# Altium PCB PCB1.PcbDoc
Units mil, origin at the board's own origin, x right, y up, seen from the top; angles counter-clockwise.
Board outline 5374.73 x 4031.41 mil, 2 copper layers (Top Layer, Bottom Layer); 98 components, 67 nets, 328 pads, 77 vias.
Unrouted connection lines stored in the file: 3.
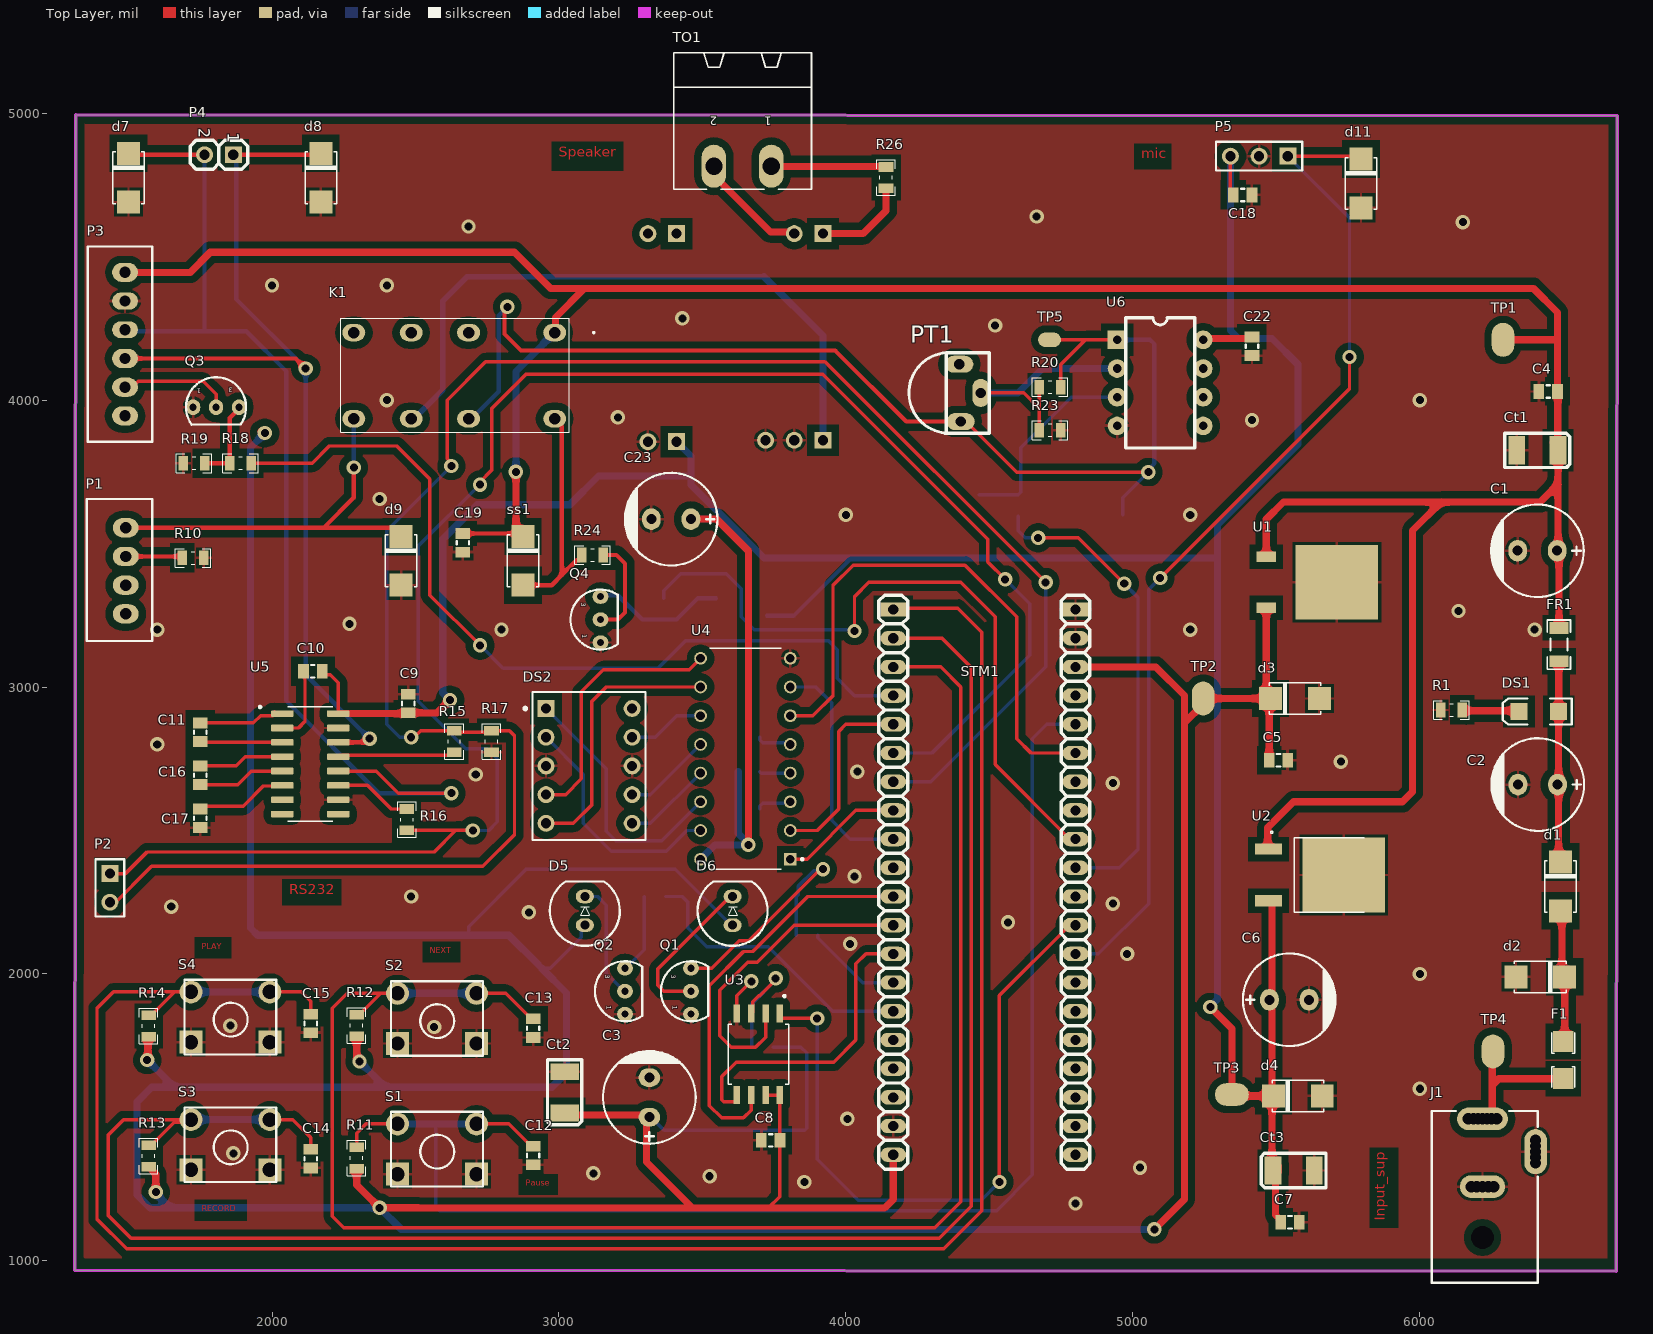
[diagram p0: Top Layer view]
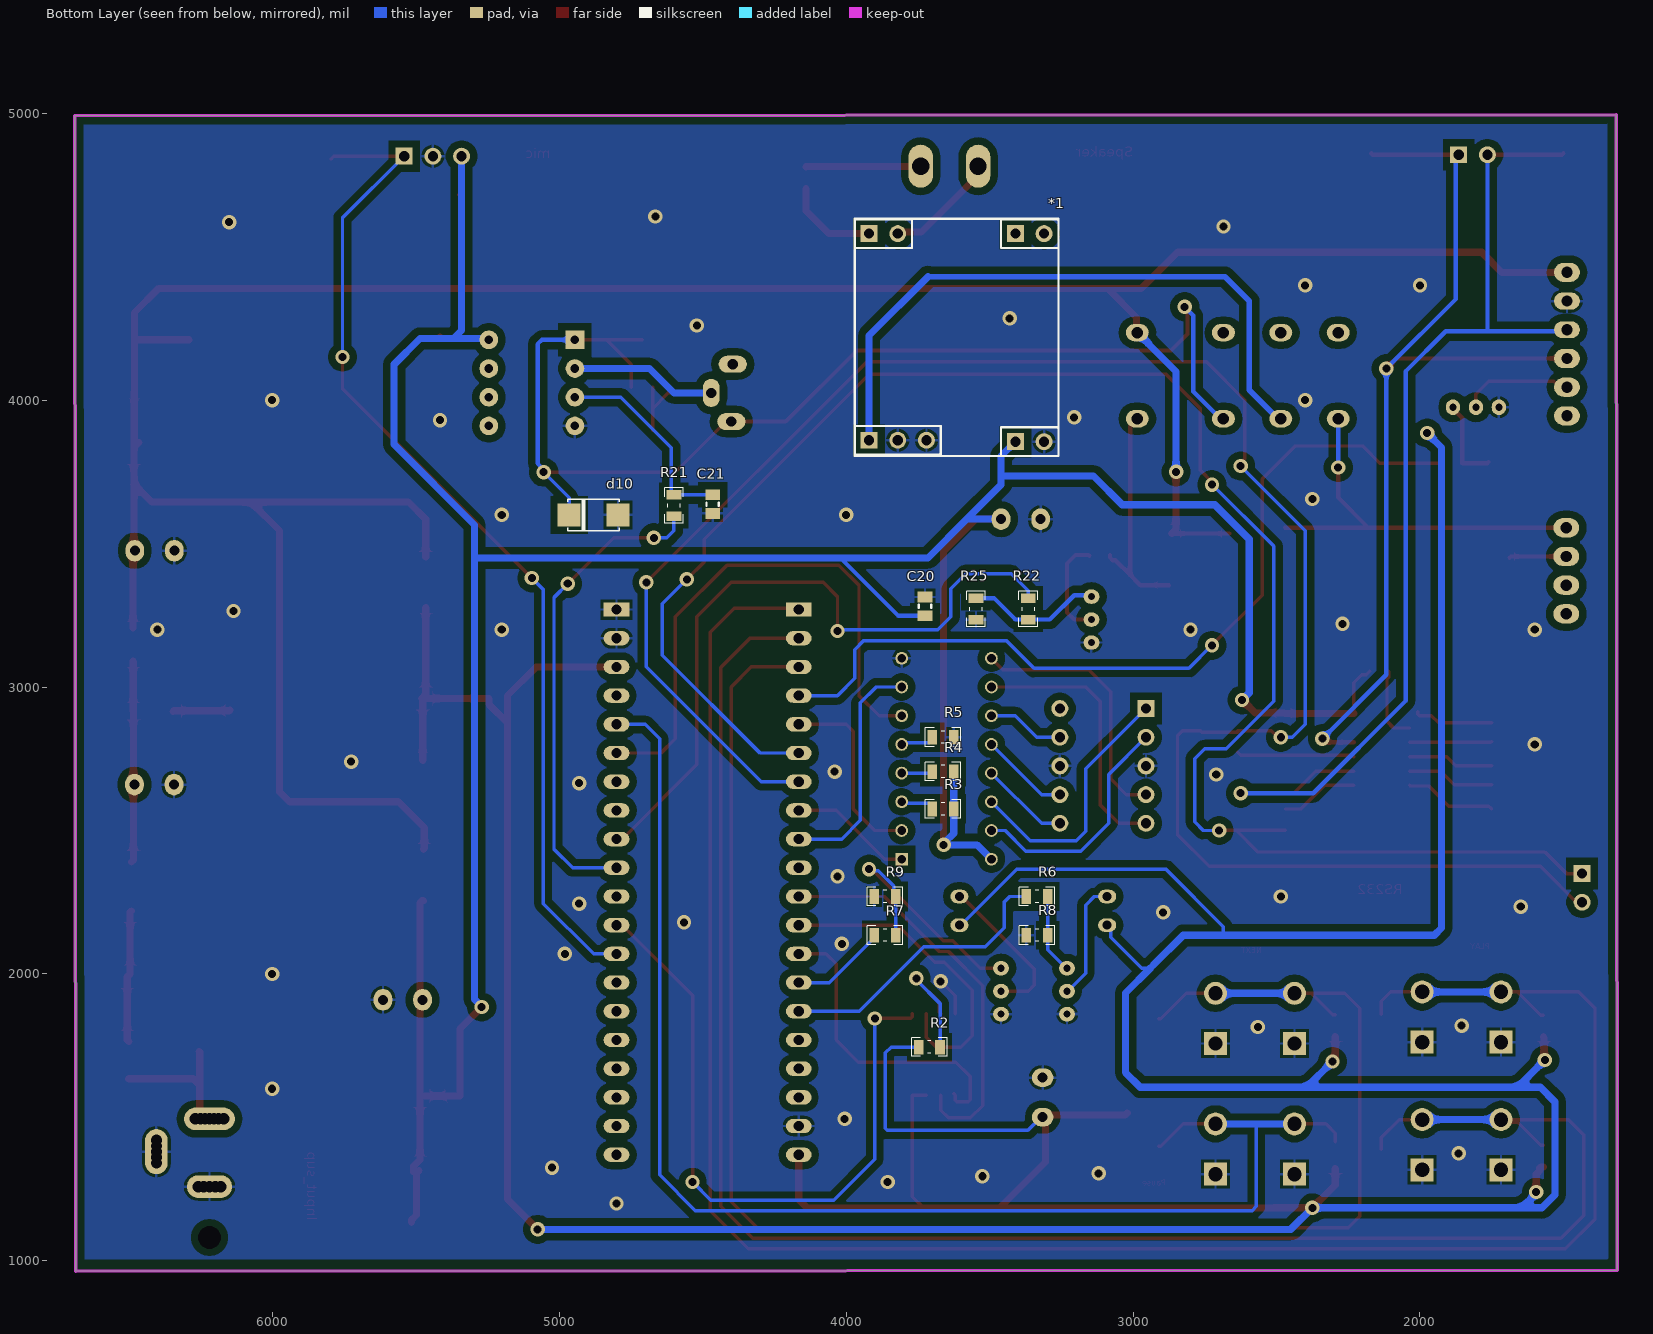
[diagram p1: Bottom Layer view, seen from below]

## Layer stack, top to bottom
Top Solder: solder mask 0.4, Solder Resist, Dk 3.5
Top Layer: signal copper 1.4
Dielectric 1: dielectric 12.6, FR-4, Dk 4.8
Bottom Layer: signal copper 1.4
Bottom Solder: solder mask 0.4, Solder Resist, Dk 3.5

## Board outline
1312.95,967.8 6684.33,963.33 6687.68,4990.27 1316.3,4994.74

## Design rules (kind name [scope] priority, off if disabled: settings)
Clearance "Stitching GND" [IsStitchingVia and InNet('GND') vs (IsVia and (Not IsStitchingVia)) Or IsPad] p1: gap=200 ignorepadtopadclearanceinfootprint=FALSE
Clearance [All] p2: gap=25 ignorepadtopadclearanceinfootprint=TRUE
PolygonConnect [All] p1: thpad.connectstyle=Relief thpad.reliefconductorwidth=10 thpad.reliefentries=4 thpad.polygonreliefangle="90 Angle" thpad.airgapwidth=10 smdpad.connectstyle=Relief smdpad.reliefconductorwidth=10 smdpad.reliefentries=4 smdpad.polygonreliefangle="90 Angle" smdpad.airgapwidth=10 via.connectstyle=Direct via.reliefconductorwidth=10 via.reliefentries=4 via.polygonreliefangle="90 Angle" via.airgapwidth=10
RoutingVias [All] p1: holewidth=28 width=50 viastyle="Through Hole" minholewidth=28 minwidth=50 maxholewidth=28 maxwidth=50
SolderMaskExpansion [All] p1: expansion=4 istentingtop=FALSE
Width [All] p1: maxlimit=25 minlimit=12 preferedwidth=15
30 further rules are at their usual default settings.

## Classes and differential pairs
net class NewClass: Flash_CS Spi_clk Spi_miso Spi_mosi
component class other: *1 C9 C10 C11 C12 C13 C14 C15 C16 C17 C18 C19 C20 C21 C22 C23 d7 d8 d9 d10 d11 K1 P1 P2 P3 P4 P5 PT1 Q3 Q4 R10 R11 R12 R13 R14 R15 R16 R17 R18 R19 R20 R21 R22 R23 R24 R25 R26 S1 S2 S3 S4 ss1 TO1 TP5 U5 U6
component class power: C1 C2 C3 C4 C5 C6 C7 Ct1 Ct2 Ct3 d1 d2 d3 d4 DS1 F1 FR1 J1 R1 TP1 TP2 TP3 TP4 U1 U2
component class MCU: C8 D5 D6 DS2 Q1 Q2 R2 R3 R4 R5 R6 R7 R8 R9 STM1 U3 U4

## Components (designator, comment, footprint, x,y, rotation, side; value= is the part's Value field where it differs from the comment)
*1 "Pam8403" PAM8403 3625,4220 r180 bottom
C1 "100uF" "cap 03" 6410,3475 r0 top
C2 "100uF" "cap 03" 6411.1,2660 r0 top
C3 "100uF" "cap 03" 3315,1570 r270 top
C4 "" CAP805 6415,4030 r0 top value=100nF
C5 "" CAP805 5540,2745 r180 top value=100nF
C6 "100uF" "cap 03" 5545,1910 r180 top
C7 "" CAP805 5580,1135 r180 top value=100nF
C8 "" CAP805 3705.04,1420 r0 top value=100nF
C9 "" CAP805 2475,2910 r90 top value=100nF
C10 "" CAP805 2175,3055 r180 top value=1uF
C11 "" CAP805 1750,2810 r90 top value=1uF
C12 "" CAP805 2910,1335 r90 top value=10nF
C13 "" CAP805 2910,1778.72 r90 top value=10nF
C14 "" CAP805 2135,1323.72 r90 top value=10nF
C15 "" CAP805 2135,1795 r90 top value=10nF
C16 "" CAP805 1750,2660 r90 top value=1uF
C17 "" CAP805 1750,2510.04 r90 top value=1uF
C18 "" CAP805 5350,4715 r0 top value=100nF
C19 "" CAP805 2665,3534.96 r270 top value=100nF
C20 "" CAP805 3725,3248.72 r90 bottom value=100nF
C21 "" CAP805 4465,3670 r270 bottom value=1nF
C22 "" CAP805 5415,4220 r270 top value=100nF
C23 "100uF" "cap 03" 3391.1,3585 r0 top
Ct1 "10uF" "Tantalium Size B" 6410,3825 r180 top
Ct2 "10uF" "Tantalium Size B" 3020,1587.1 r90 top
Ct3 "10uF" "Tantalium Size B" 5560,1315 r0 top
d1 "SS34" "DIODE SMA (DO-214AC)" 6490,2220 r90 top
d2 "Smbj12v" "DIODE SMA (DO-214AC)" 6335,1990 r0 top
d3 "Smbj3.3" "DIODE SMA (DO-214AC)" 5650,2960 r180 top
d4 "Smbj5v" "DIODE SMA (DO-214AC)" 5660,1575 r180 top
D5 "LED 5MM" LED5MM_GRN 3090,2220 r90 top
D6 "LED 5MM" LED5MM_RED 3605,2220 r90 top
d7 "Smbj5.0" "DIODE SMA (DO-214AC)" 1500,4690 r90 top
d8 "Smbj5.0" "DIODE SMA (DO-214AC)" 2170,4690 r90 top
d9 "Smbj3.3" "DIODE SMA (DO-214AC)" 2450,3355 r90 top
d10 "Smbj3.3" "DIODE SMA (DO-214AC)" 4795,3600 r0 bottom
d11 "Smbj3.3" "DIODE SMA (DO-214AC)" 5795,4670 r90 top
DS1 "Red" "LED 1206" 6415,2915 r180 top
DS2 "HDSP-303A" F-10 3105,2725 r0 top
F1 "F=1.0 A" "1206 FUSE" 6500,1700 r90 top
FR1 "Ferrit Bead" RES1206 6485,3148.07 r90 top
J1 "Power Jack" "Power Jack" 6218.5,924.13 r90 top
K1 "G6A-234P-ST-US_5DC" G6A234PSTUS5DC 2985,4235 r180 top
P1 "xh 4pin" "XH 4 PIN-S" 1490,3555 r180 top
P2 "Header 2" HDR1X2 1435,2350 r270 top
P3 "xh 6pin" "XH 6 PIN-S" 1487.84,3945 r0 top
P4 "MHDR_1X02" MHDR1X02-254P 1865,4855 r180 top
P5 "Mic In" HDR1X3 5540,4850 r180 top
PT1 "POT1" POT1 4350,4165 r270 top
Q1 "C945" C945 3460,1940 r270 top
Q2 "C945" C945 3230,1940 r270 top
Q3 "C945" C945 1805,3975 r180 top
Q4 "C945" C945 3145,3235 r270 top
R1 "2.2k" RES0805 6110,2920 r0 top
R2 "10k" RES0805 3710,1745 r0 bottom
R3 "10k" RES0805 3662.4,2575 r0 bottom
R4 "10k" RES0805 3662.4,2705 r0 bottom
R5 "10k" RES0805 3662.4,2825 r0 bottom
R6 "10k" RES0805 3335,2270 r0 bottom
R7 "10k" RES0805 3865,2135 r0 bottom
R8 "10k" RES0805 3335,2135 r180 bottom
R9 "10k" RES0805 3865,2270 r180 bottom
R10 "0 ohm" RES0805 1725,3450 r0 top
R11 "10k" RES0805 2295,1358.68 r270 top
R12 "10k" RES0805 2295,1820 r270 top
R13 "10k" RES0805 1570,1365 r270 top
R14 "10k" RES0805 1570,1818.68 r270 top
R15 "1.2k" RES0805 2635,2810 r270 top
R16 "120 ohm" RES0805 2470,2537.6 r270 top
R17 "2.2k" RES0805 2765,2810 r90 top
R18 "33k" RES0805 1890,3780 r180 top
R19 "10k" RES0805 1727.6,3780 r180 top
R20 "22k" RES0805 4711.48,4045 r180 top
R21 "33k" RES0805 4600,3632.6 r270 bottom
R22 "33k" RES0805 3365,3272.4 r270 bottom
R23 "10k" RES0805 4711.48,3895 r0 top
R24 "10 ohm" RES0805 3117.4,3460 r0 top
R25 "10k" RES0805 3547.43,3272.4 r270 bottom
R26 "8 ohm" RES0805 4140,4775 r90 top
S1 "Switch PB" "Switch - Push to On" 2575,1390 r180 top
S2 "Switch PB" "Switch - Push to On" 2575,1845 r180 top
S3 "Switch PB" "Switch - Push to On" 1855,1405 r180 top
S4 "Switch PB" "Switch - Push to On" 1855,1850 r180 top
ss1 "M7" "DIODE SMA (DO-214AC)" 2875,3355 r90 top
STM1 "STM32f103 BluePill" BluePill 4485,2235 r180 top
TO1 "PHOENIX" CON_MSTBA02 3640,4815 r180 top
TP1 "" TP10#1 6290,4210 r180 top
TP2 "" TP10#1 5245,2960 r180 top
TP3 "" TP10#1 5345,1580 r90 top
TP4 "" TP10#1 6255,1730 r180 top
TP5 "" TP10#2 4710,4210 r90 top
U1 "LF33CDT" TO228P972X240-3N 5705,3365 r270 top
U2 "L7805CDT" VREG_L7805CDT 5637.76,2345 r270 top
U3 "W25Q64BVSSIG" SOIC127P790X216-8N 3695,1720 r270 top
U4 "CD4511BE" DIP794W45P254L1969H508Q16 3650,2750 r180 top
U5 "MAX232CSE" SOIC127P600X175-16N 2133.27,2732.17 r0 top
U6 "OpAmp" DIP8 4945,4210 r0 top

## Footprints (in the part's own frame and the unit in brackets; to place one, negate y for a bottom-side part, rotate by r counter-clockwise, add the part's x,y. Pads: shape width x height; smd on the part's side, far side on the other; paste and mask are expansions set on the pad)
"1206 FUSE" [mm]
  rect 1.85x1.85 smd: 1(-1.65,0) 2(1.65,0)
  silkscreen extent -2.41,-1.02 2.41,1.02, body extent -1.6,-0.8 1.6,0.8, height 1
BluePill [mil]
  rect 90x50 hole 35.43: 1(-315,-1035) 21(320,-1035)
  oval 90x50 hole 35.43: 2(-315,-935) 3(-315,-835) 4(-315,-735) 5(-315,-635) 6(-315,-535) 7(-315,-435) 8(-315,-335) 9(-315,-235) 10(-315,-135) 11(-315,-35) 12(-315,65) 13(-315,165) 14(-315,265) 15(-315,365) 16(-315,465) 17(-315,565) 18(-315,665) 19(-315,765) 20(-315,865) 22(320,-935) 23(320,-835) 24(320,-735) 25(320,-635) 26(320,-535) 27(320,-435) 28(320,-335) 29(320,-235) 30(320,-135) 31(320,-35) 32(320,65) 33(320,165) 34(320,265) 35(320,365) 36(320,465) 37(320,565) 38(320,665) 39(320,765) 40(320,865)
  silkscreen extent -365,-1085 370,915, body extent -370,-1095 370,915, height 102
C945 [mil] "NPN Transistor"
  oval 50x55 hole 25: 1(80,0) 2(0,0) 3(-80,0)
  silkscreen extent -105,-105 105,61, body extent -94,-96 95,58, height 315
CAP805 [mm]
  rect 0.95x1.3 smd: 1(0,0) 2(1.65,0)
  silkscreen extent 0.67,-0.55 0.98,0.55, body extent -0.19,-0.64 1.84,0.63, height 0.65
"cap 03" [mil]
  oval 65x75 hole 35: 1(68.9,0) 2(-68.9,0)
  silkscreen extent -161,-161 161,161, body extent -159,-159 157,158, height 473
CON_MSTBA02 [mil]
  oval 85x150 hole 60: 1(-100,0) 2(100,0)
  silkscreen extent -240,-395 240,80, body extent -240,-392 239,80, height 340
"DIODE SMA (DO-214AC)" [mil]
  rect 80x80 smd: 1(0,0) 2(170,0)
  silkscreen extent -5,-55 175,55, body extent -23,-55 193,55, height 102
DIP8 [mil]
  rect 65x65 hole 30: 1(0,0)
  round 65 hole 30: 2(0,-100) 3(0,-200) 4(0,-300) 5(300,-300) 6(300,-200) 7(300,-100) 8(300,0)
  silkscreen extent 30,-377 270,77, body extent -5,-375 305,75, height 165
DIP794W45P254L1969H508Q16 [mm]
  rect 1.13x1.13 hole 0.78: 1(-3.97,8.89)
  round 1.13 hole 0.78: 2(-3.97,6.35) 3(-3.97,3.81) 4(-3.97,1.27) 5(-3.97,-1.27) 6(-3.97,-3.81) 7(-3.97,-6.35) 8(-3.97,-8.89) 9(3.97,-8.89) 10(3.97,-6.35) 11(3.97,-3.81) 12(3.97,-1.27) 13(3.97,1.27) 14(3.97,3.81) 15(3.97,6.35) 16(3.97,8.89)
  silkscreen extent -5.13,-9.77 3.18,9.77
F-10 [mm] "LED, 7-Segment Display, 10 mm, RHD; 10 Leads; Row Space 7.62 mm; Pitch 2.54 mm"
  rect 1.5x1.5 hole 0.9: 1(-3.81,5.08)
  round 1.5 hole 0.9: 2(-3.81,2.54) 3(-3.81,0) 4(-3.81,-2.54) 5(-3.81,-5.08) 6(3.81,5.08) 7(3.81,2.54) 8(3.81,0) 9(3.81,-2.54) 10(3.81,-5.08)
  silkscreen extent -5.77,-6.55 5,6.55
G6A234PSTUS5DC [mil]
  oval 80x60 hole 40: 1(0,0) 4(300,0) 6(500,0) 8(700,0) 9(700,300) 11(500,300) 13(300,300) 16(0,300)
  silkscreen extent -138,-50 745,348, body extent -50,-50 745,348, height 335
HDR1X2 [mm]
  rect 1.5x1.5 hole 0.9: 1(0,0)
  round 1.5 hole 0.9: 2(2.54,0)
  silkscreen extent -1.27,-1.27 3.81,1.27
HDR1X3 [mm] "Connector; Header; 3 Position"
  rect 1.5x1.5 hole 0.9: 1(0,0)
  round 1.5 hole 0.9: 2(2.54,0) 3(5.08,0)
  silkscreen extent -1.27,-1.27 6.35,1.27
LED5MM_GRN [mm] "LED 5MM THROUGH HOLE GREEN-Designer Abbas Basereh"
  oval 1.2x1.6 hole 0.8: 1(-1.27,0) 2(1.27,0)
  silkscreen extent -3.1,-3.1 2.6,3.1, body extent -3,-3 2.5,3, height 9.14
LED5MM_RED [mm] "LED 5MM THROUGH HOLE RED-Designer Abbas Basereh"
  oval 1.2x1.6 hole 0.8: 1(-1.27,0) 2(1.27,0)
  silkscreen extent -3.1,-3.1 2.6,3.1, body extent -2.97,-3 2.45,3.02, height 12.31
"LED 1206" [mm]
  rect 1.5x1.5 smd: 1(-1.75,0) 2(1.75,0)
  silkscreen extent -2.9,-1.15 3.2,1.15, body extent -1.65,-0.72 1.65,0.73, height 1.36
MHDR1X02-254P [mm] "Male Header 1X02 with 2.54 mm Pitch"
  rect 1.5x1.5 hole 0.9: 1(0,0)
  round 1.5 hole 0.9: 2(2.54,0)
  silkscreen extent -1.27,-1.27 3.81,1.27, body extent -1.27,-1.27 3.81,1.27, height 8.43
PAM8403 [mm]
  rect 1.5x1.5 hole 0.9: 0(-7.493,-9.144) 3(5.461,-9.271) 5(-7.493,9.144) 7(5.461,9.144)
  round 1.5 hole 0.9: 1(-4.953,-9.144) 2(-2.413,-9.144) 4(8.001,-9.271) 6(-4.953,9.144) 8(8.001,9.144)
  silkscreen extent -8.76,-10.54 9.27,10.46, body extent -8.89,-10.54 9.27,10.54, height 0.25
POT1 [mm]
  oval 1.5x2.5 hole 0.9: 1(1.016,1.143) 2(6.096,1.27)
  oval 2.5x1.5 hole 0.9: 3(3.556,3.048)
  silkscreen extent 0,-3.31 7.11,3.81, body extent 0.13,-3.17 6.98,-0.13, height 0.7
"Power Jack" [mm] "Power Adaptor Jack"
  round 1.5 hole 1: 1(14.5,-1.25) 1(14.5,-0.8) 1(14.5,-0.4) 1(14.5,0.4) 1(14.5,0.8) 1(14.5,1.25) 2(8.5,-1) 2(8.5,-0.5) 2(8.5,0.5) 2(8.5,1) 3(10.6,-4.7) 3(11.1,-4.7) 3(12.1,-4.7) 3(12.6,-4.7)
  oval 2x4.5 hole 1: 1(14.5,0)
  oval 2x4 hole 1: 2(8.5,0)
  oval 4x2 hole 1: 3(11.6,-4.7)
  round 1.9 hole 2: MH(4,0)
  silkscreen extent 0,-4.9 15.2,4.5, body extent 0,-4.9 15.2,4.5, height 11
RES0805 [mm] "Chip Resistor, 2-Leads, Body 2/00x1/25mm, IPC Medium Density DESIGNER:ABBAS BASEREH"
  rect 0.85x1.3 smd: 1(-0.95,0) 2(0.95,0)
  silkscreen extent -1.58,-0.82 1.58,0.82, body extent -1.02,-0.65 1.02,0.65, height 0.5
RES1206 [mm] "Chip Resistor, 2-Leads, Body 3/20x1/60mm, IPC Medium Density DESIGNER:ABBAS BASEREH"
  rect 1.05x1.7 smd: 1(-1.475,0) 2(1.475,0)
  silkscreen extent -2.17,-1.02 2.17,1.02, body extent -1.65,-0.85 1.65,0.85, height 0.94
SOIC127P600X175-16N [mm]
  rrect25% 1.97x0.59 smd: 1(-2.475,4.445) 2(-2.475,3.175) 3(-2.475,1.905) 4(-2.475,0.635) 5(-2.475,-0.635) 6(-2.475,-1.905) 7(-2.475,-3.175) 8(-2.475,-4.445) 9(2.475,-4.445) 10(2.475,-3.175) 11(2.475,-1.905) 12(2.475,-0.635) 13(2.475,0.635) 14(2.475,1.905) 15(2.475,3.175) 16(2.475,4.445)
  silkscreen extent -4.54,-5.06 2,5.13
SOIC127P790X216-8N [mm]
  rrect15% 1.61x0.58 smd: 1(-3.605,1.905) 2(-3.605,0.635) 3(-3.605,-0.635) 4(-3.605,-1.905) 5(3.605,-1.905) 6(3.605,-0.635) 7(3.605,0.635) 8(3.605,1.905)
  silkscreen extent -5.25,-2.69 2.67,2.69, body extent -3.95,-2.64 3.95,2.64, height 2.16
"Switch - Push to On" [mil]
  rect 80x80 hole 50: 1(-137.5,87.5) 1(137.5,87.5)
  round 80 hole 50: 2(-137.5,-87.5) 2(137.5,-87.5)
  silkscreen extent -160,-130 160,130, body extent -155,-121 157,123, height 205
"Tantalium Size B" [mm]
  rect 1.5x2.5 smd paste+0.038 mask+0.038: 1(-1.831,0) 2(1.832,0)
  silkscreen extent -2.88,-1.53 2.87,1.53, body extent -1.83,-1.4 1.83,1.4, height 1.95
TO228P972X240-3N [mil]
  rect 37x67 smd: 1(-89,-240) 3(89,-240)
  rect 260x288 smd: 2(0,6)
  body extent -120,-255 136,128, height 94
TP10#1 [mm] "Round SMD Test Pin; 1.0 mm"
  oval 2x3 smd: 1(0,0)
TP10#2 [mm] "Round SMD Test Pin; 1.0 mm"
  oval 1.27x2.032 smd: 1(0,0)
VREG_L7805CDT [mm]
  rect 0.98x2.4 smd: 1(-2.28,-4.2) 2(2.28,-4.2)
  rect 6.604x7.315 smd paste-4: 3(0,2.47)
  silkscreen extent -3.89,-4 3.3,4.27, body extent -3.25,-4.6 3.25,5.13, height 2.4
"XH 4 PIN-S" [mm]
  oval 2.286x1.7 hole 1: 1(0,0) 2(0,2.54) 3(0,5.08) 4(0,7.62)
  silkscreen extent -2.36,-2.54 3.44,10.03, body extent -2.41,-2.44 3.39,10.06, height 7
"XH 6 PIN-S" [mm]
  oval 2.286x1.7 hole 1: 1(0,0) 2(0,2.54) 3(0,5.08) 6(0,12.7)
  oval 2.286x1.5 hole 1: 4(0,7.62) 5(0,10.16)
  silkscreen extent -3.3,-2.29 2.41,14.99, body extent -3.38,-2.35 2.37,15.05, height 7

## Part data
C1 C2 C23: library part CAP_Polar, "Polar Capacitor", Voltage=25V, Company="SJ Libraries", ComponentLink1Description=Datasheet, ComponentLink2Description=Reference, Designer="Eng. Saeid Jorablo", HelpURL=http://s3.picofile.com/file/7443264187/Coming_Soon_logo.gif, Mounting Technology="Surface Mount\Through-Hole", Publisher="SJ Unlimited", Status=Unreleased
C3 C6: library part CAP_Polar, "Polar Capacitor", Voltage=16V, Company="SJ Libraries", ComponentLink1Description=Datasheet, ComponentLink2Description=Reference, Designer="Eng. Saeid Jorablo", HelpURL=http://s3.picofile.com/file/7443264187/Coming_Soon_logo.gif, Mounting Technology="Surface Mount\Through-Hole", Publisher="SJ Unlimited", Status=Unreleased
C4 C5 C7 C8 C9 C10 C11 C12 C13 C14 C15 C16 C17 C18 C19 C20 C21 C22: library part Cap, "Capacitor", LatestRevisionDate=17-Jul-2002, LatestRevisionNote="Re-released for DXP Platform.", Published=8-Jun-2000, Publisher="Altium Limited"
Ct1 Ct2 Ct3: library part "Capacitor Tantalium", "Tantalium Cap 10uF .... 100uF"
d1: library part "1n4007 SMD M7", "soutkey diod", Manufacturer="DC COMPONENTS", Data=16-12-2016, Designer="Abbas Basereh", Link=http://www.tme.eu/en/details/m7/smd-universal-diodes/dc-components/, Part. No=M7
d2 d3 d4 d9 d10 d11: library part "1n4007 SMD M7", "Smbj5.0", Manufacturer="DC COMPONENTS", Data=16-12-2016, Designer="Abbas Basereh", Link=http://www.tme.eu/en/details/m7/smd-universal-diodes/dc-components/, Part. No=M7
D5 D6: "Light Emitting Diode", Data=16-12-2016, Designer="Abbas Basereh"
d7 d8: library part "1n4007 SMD M7", Manufacturer="DC COMPONENTS", Data=16-12-2016, Designer="Abbas Basereh", Link=http://www.tme.eu/en/details/m7/smd-universal-diodes/dc-components/, Part. No=M7
DS1: library part "LED SMD PACKAGE", "SMD Mono-color Chip LED Waterclear", Forward Voltage="3.2 V", Part Number=150080BS75000, Peak Wavelength="465 nm", Published Date="Jan 2017", Publisher="Ali Hafizi"
DS2: "10 mm Slim Font, AlGaAs 7-Segment Display: CC, RH DP", LED_Colour="AlGaAs Red", PackageDocument=17-Jan-2002, ComponentLink1Description="Manufacturer Link", ComponentLink1URL=http://www.agilent.com/, ComponentLink2Description=Datasheet, ComponentLink2URL=http://cp.literature.agilent.com/litweb/pdf/5988-4352EN.pdf, DatasheetDocument=1-Oct-2001, LatestRevisionDate=11-Oct-2004, LatestRevisionNote="Display outline superimposed on PCB Footprint.", LuminousIntensity="320 ucd (Minimum).", PackageReference=F-10, Published=26-May-2004, Publisher="Altium Limited"
F1: library part "Fuse SMD1206", "SMD Fuses 1206", Data=16-12-2016, Desc.="SMD Fuses 1206", Designer="Abbas Basereh"
K1: "Relay or Contactor", Arrow Part Number="G6A-234P-ST-US 5DC", Manufacturer_Name="Omron Electronics", Arrow Price/Stock=https://www.arrow.com/en/products/g6a234pstus5dc/omron, Datasheet Link="https://componentsearchengine.com/Datasheets/2/G6A-234P-ST-US 5DC.pdf", Height=8.4mm, Manufacturer_Part_Number="G6A-234P-ST-US 5DC"
P1: library part MHDR_1X04
P2: "Header, 2-Pin", LatestRevisionDate=17-Jul-2002, LatestRevisionNote="Re-released for DXP Platform.", Publisher="Altium Limited"
P3: library part MHDR_1X06
P4: "Male Header 1X02"
P5: library part "Header 3", "Header, 3-Pin", LatestRevisionDate=17-Jul-2002, LatestRevisionNote="Re-released for DXP Platform.", Publisher="Altium Limited"
PT1: "Variable Potentiometer standing", Designer="Seyed Mohsen Ghasemian", WEB=www.picpars.com
Q1 Q2 Q3 Q4: library part "C945 2", "NPN Transistor", Company="IPA CO", Designer="Saeid Jorablo", Last Update Time=2008/08/04
R1 R2 R3 R4 R5 R6 R7 R8 R9 R11 R12 R13 R14 R15 R16 R17 R20 R21 R23: library part "RES 0805 0.125W_1", "RES 0805", Data=16-12-2016, Desc.="RES SMD 0805", Designer="Abbas Basereh"
R10 R18 R19 R22 R24 R25 R26: library part "RES 0805 0.125W_5", "RES 0805", Data=16-12-2016, Desc.="RES SMD 0805", Designer="Abbas Basereh"
S1 S2 S3 S4: "Push Button Switch"
ss1: library part "1n4007 SMD M7", "Standard Rectifiers", Manufacturer="DC COMPONENTS", Data=16-12-2016, Designer="Abbas Basereh", Link=http://www.tme.eu/en/details/m7/smd-universal-diodes/dc-components/, Part. No=M7
TO1: library part CON_Phoenix_MSTB_02, "2 Pitch: 5.08 mm Color: green Contact surface: Tin Assembly", Manufacturer="PHOENIX CONTACT", Max Current="12 A", Voltage="320 V", Category=Connector, ComponentLink1Description="Header, Nominal current: 12 A Rated voltage (III/2): 320 V Number of positions: 2 Pitch: 5.08 mm Color: green Contact surface: Tin Assembly: Soldering  DESIGNER:ABBAS BASEREH", ComponentLink2Description=Reference, Connector type="PCB Terminal Block", Designer="ABBAS BASEREH", Mounting Technology=Through-Hole, PART.NO=PHOENIX, Pin Count=2, Positions=2, Revision 1=2017-3-1, Status=Unreleased
TP1 TP2 TP3 TP4 TP5: library part "Test Point", "Test Point", Category=MISC, Company="SJ Libraries", ComponentLink1Description=Datasheet, Designer="Eng. Saeid Jorablo", HelpURL=http://s3.picofile.com/file/7443264187/Coming_Soon_logo.gif, Mounting Technology="Surface Mount\Through-Hole", Pin Count=0, Update Date=6/3/2012
U1: "LDO, 0.45VDO, 1A, 3.3V, 1%, 3TO252", Package=None, Availability=Unavailable, MF="{'manufacturer': u'STMicroelectronics'}", MP=LF33CDT, Price=None
U2 U4 U5: Package=None, Availability=Unavailable, Price=None
  U2: MF="{'manufacturer': u'STMicroelectronics'}", MP=L7805CDT
  U4: MP=CD4511BE
  U5: MF="{'manufacturer': u'Analog Devices'}", MP=MAX232CSE
U3: "IC FLASH 64MBIT 80MHZ 8SOIC", Package=None, Availability=Unavailable, MF="{'manufacturer': u'Winbond Electronics'}", MP=W25Q64BVSSIG, Price=None
U6: "Dual Low Noise Operational Amplifier (OpAmp)"
J1: Adding Date=10/21/2009, Company=Personal, Designer="Saeid Jorablo", Project Name=Laser

## Via types
v1: diameter 50, hole 28, Top Layer to Bottom Layer, 64 vias
v2: diameter 50, hole 28, Top Layer to Bottom Layer, tented both sides, 13 vias

## Nets (pads, with @x,y where several pads share a name; then routed paths per layer and width w, separated by ;. In a path a pad name is that pad's centre, name@x,y a point inside that pad or via, vN(x,y) a via of type N, cw(c..) or ccw(c..) an arc to the next point about the centre after c; other vN are vias at no path point)
7-Segment-A: DS2.10 U4.13 | length 311.2
  Bottom Layer w12: DS2.10 3318.7,2525 U4.13
7-Segment-B: DS2.9 U4.12 | length 311.2
  Bottom Layer w12: DS2.9 3318.7,2625 U4.12
7-Segment-C: DS2.7 U4.11 | length 269.8
  Bottom Layer w12: DS2.7 3335,2825 3410,2900 U4.11
7-Segment-D: DS2.5 U4.10 | length 946.3
  Top Layer w12: DS2.5 3050,2525 3115,2590 3115,2950 3165,3000 U4.10
7-Segment-E: DS2.4 U4.9 | length 912.9
  Top Layer w12: DS2.4 3023,2625 3078,2680 3078,2983 3155,3060 3453.7,3060 U4.9
7-Segment-F: DS2.2 U4.15 | length 833
  Bottom Layer w12: DS2.2 3085,2695 3085,2525 3182.53,2427.47 3373.5,2427.47 3446.03,2500 U4.15
7-Segment-G: DS2.1 U4.14 | length 913.1
  Bottom Layer w12: DS2.1 3165,2715 3165,2497.33 3197.85,2464.47 3358.17,2464.47 U4.14
+3v3: C3.1 C5.2 C8.2 Ct2.1 d3.2 D5.1 D6.1 R2.2 R11.2 R12.2 R13.2 R14.2 STM1.3 STM1.40 TP2.1 U1.3 U3.7 U3.8 | length 18094.5
  Top Layer w12: U3.7 U3.8 C8.2 3770,1224.3 3730,1184.3
  Top Layer w25: v2(1565,1700) 1567.5,1702.5 1567.5,1778.78 R14.2 ; R13.2 1578.86,1327.6 1583.09,1323.37 1583.09,1314.51 1595,1302.6 v2(1595,1240) ; v2@1961.98,3891.26 1968.24,3885 v2(1975,3885) ; R11.2 2295,1265 v2(2375,1185) 2509.97,1185 2510.67,1184.3 3465.7,1184.3 ; R12.2 2295,1711.76 2305,1701.76 v2(2305,1695) ; Ct2.1 3026.95,1508.05 3308.05,1508.05 C3.1 3305,1491.1 3305,1345 3465.7,1184.3 ; STM1.40 4165,1214.3 4135,1184.3 3730,1184.3 3465.7,1184.3 ; STM1.3 5080,3070 5180,2970 5180,2875.32 ; v1(5075,1110) 5180,1215 5180,2875.32 ; U1.3 5465,2975 d3.2 ; C5.2 5475.04,2955.04 d3.2 ; 5180,2875.32 5245,2940.32 TP2.1 d3.2
  Bottom Layer w12: 2685,2135 2685,2165 2885,2365 3405,2365 3600,2170 D6.1 ; 2930,2030 2940,2020 2970,2020 3078.38,2128.38 3078.38,2158.38 D5.1 ; C3.1 3320,1501.1 3366.1,1455 3855.97,1455 3863,1462.03 3863,1725 3843,1745 R2.2
  Bottom Layer w25: v2(1565,1700) 1660,1605 ; v2(1595,1240) 1595,1235 1645,1185 ; v2(1975,3885) 1925,3835 1925,2160 1950,2135 2685,2135 2825,2135 2930,2030 ; v2(2305,1695) 2395,1605 ; 2940,2020 3026.05,1933.95 3026.05,1656.05 2975,1605 2395,1605 ; v1(5075,1110) 2450,1110 v2(2375,1185) 1645,1185 ; 1645,1185 1575,1185 1530,1230 1530,1555 1580,1605 1660,1605 ; 1660,1605 2395,1605
+5V: *1.3 C6.1 C7.2 C9.1 C10.1 C18.1 C20.1 C22.1 C23.1 Ct3.1 d4.2 P5.3 R3.1 R4.1 TP3.1 U2.2 U4.16 U5.16 U6.8 | length 11778.1
  Top Layer w12: C10.1 2187.84,3042.16 2202.84,3042.16 2230.71,3014.29 U5.16 ; P5.3 5340,4725 C18.1
  Top Layer w25: U5.16 2472.17,2907.17 C9.1 2575,2910 v2(2620,2955) ; C23.1 3550,3585 3660,3475 v1(3660,2450) ; U6.8 5250,4215 5410,4215 C22.1 ; v2(5270,1885) 5345,1810 TP3.1 ; TP3.1@5345,1575 d4.2@5485,1575 ; U2.2 5478.21,2255.24 5485,2248.44 d4.2@5485,1575 ; Ct3.1 5497.18,1305.73 5497.18,1159.75 5515.04,1141.89 C7.2 ; Ct3.1@5507.9,1310 5507.9,1329.69 5485,1352.59 d4.2@5485,1575
  Bottom Layer w15: C20.1 3818.72,3248.72 4020,3450
  Bottom Layer w25: v2(2620,2955) 2595,2980 2595,3515 2715,3635 3037.5,3635 3137.5,3735 3460,3735 ; *1.3 3460,3805 3460,3735 ; C23.1 3580,3585 ; U4.16 3543.7,2450 v1(3660,2450) 3655,2455 3655,2460 3625,2490 R3.1 R4.1 ; U6.8 5250,4215 5367.5,4215 ; v2(5270,1885) 5270,1887.14 5295,1912.14 5295,3450 ; P5.3 5340,4242.5 5367.5,4215 ; 3460,3735 3460,3705 3580,3585 ; 3580,3585 3715,3450 4020,3450 5295,3450 ; 5295,3450 5295,3565 5575,3845 5575,4125 5485,4215 5367.5,4215
Aoudio_input: d11.2 P5.1 STM1.13 | length 3570.6
  Top Layer w12: v1(5095,3380) 5755,4040 v1(5755,4150) ; P5.1 5785,4850 d11.2
  Bottom Layer w12: STM1.13 4880,2070 5055,2245 5055,3340 v1(5095,3380) ; P5.1 5755,4635 v1(5755,4150)
Aouio_PMW: R21.2 STM1.10 | length 1686.6
  Top Layer w12: v1(4670,3520) 4810,3520 v1(4970,3360)
  Bottom Layer w12: R21.2 4600,3545 4625,3520 v1(4670,3520) ; STM1.10 4953,2370 5018,2435 5018,3312 v1(4970,3360)
Audio_output_swtich: R22.1 STM1.9 | length 2438.8
  Top Layer w12: v1(4030,3195) 4030,3315 4080,3365 4400,3365 4520,3245 4520,2730 4780,2470 STM1.9
  Bottom Layer w12: R22.1 3364.97,3334.97 3425,3395 3582.97,3395 3635,3342.97 3635,3244.42 3680.41,3199.02 4025.98,3199.02 v1(4030,3195)
BCD_A: STM1.29 U4.7 | length 818.4
  Bottom Layer w12: U4.7 3895,3000 3950,2945 3950,2535 4015,2470 STM1.29
BCD_B: STM1.28 U4.1 | length 429.1
  Top Layer w12: U4.1 3865,2400 4035,2570 STM1.28
BCD_C: STM1.25 U4.2 | length 670.1
  Top Layer w12: U4.2 3900,2500 3975,2575 3975,2845 4000,2870 STM1.25
BCD_D: STM1.6 U4.6 | length 1957
  Top Layer w12: U4.6 3885,2900 3955,2970 3955,3355 4025,3425 4415,3425 4595,3245 4595,2820 4645,2770 STM1.6
Flash_CS: STM1.12 U3.1 | length 2370.6
  Top Layer w12: U3.1 3770,1850.42 3775.42,1845 v1(3900,1845) ; v1(4535,1275) 4535,1925 4780,2170 STM1.12
  Bottom Layer w12: v1(3900,1845) 3900,1355 4043,1212 4472,1212 v1(4535,1275)
GND: *1.1 *1.2 *1.4 C1.2 C2.2 C3.2 C4.1 C5.1 C6.2 C7.1 C8.1 C9.2 C12.1 C13.1 C14.1 C15.1 C17.1 C18.2 C19.2 C20.2 C21.2 C22.2 C23.2 Ct1.2 Ct2.2 Ct3.2 d2.1 d3.1 d4.1 d7.1 d8.1 d9.1 d10.1 d11.1 DS2.3 DS2.8 J1.2 J1.3 P3.5 P5.2 Q1.1 Q2.1 Q3.1 Q4.1 R1.1 R5.1 R8.1 R9.1 R10.2 R17.1 R19.2 R23.2 R25.2 S1.1 S2.1 S3.1 S4.1 STM1.1 STM1.2 STM1.39 U1.2 U2.3 U3.4 U4.8 U5.10 U5.15 U6.4 | length 133.4
  Top Layer w12: U3.4 3620,1923.7 v1(3670.65,1974.35)
  other v1: 4800,1200 3855,1275 3525,1295 3120,1305 5025,1325 1865,1375 4005,1495 6000,1600 2565,1815 1855,1820 6000,2000 4980,2070 4015,2105 4565,2180 2895,2215 1648.86,2234.42 4930,2245 2485,2270 4030,2340 4930,2665 2710,2695 4040,2705 5725,2740 1600,2800 1600,3200 2800,3200 5200,3200 6400,3200 2270,3220 6135,3265 4000,3600 5200,3600 2375,3655 5415,3930 3205,3940 2400,4000 6000,4000 4520,4260 3430,4285 2000,4400 2400,4400 2685,4605 6150,4620 4665,4640
input_voltag: F1.1 J1.1 TP4.1 | length 493.9
  Top Layer w25: J1.1@6250,1495 6252.5,1497.5 6252.5,1612.5 ; TP4.1 6252.5,1727.5 6252.5,1612.5 ; F1.1 6275.04,1635.04 6252.5,1612.5
M66_on_off_key: R18.1 STM1.24 | length 2991.4
  Top Layer w12: R18.1@1935,3780 2140,3780 2200,3840 2435,3840 2550,3725 2550,3320 v1(2725,3145)
  Bottom Layer w12: v1(2725,3145) 2805,3065 3345,3065 3442.02,3162.02 3937.98,3162.02 3970,3130 3970,3030 4030,2970 STM1.24
NetC2_1: C2.1 d1.2 DS1.1 FR1.1 | length 706.2
  Top Layer w25: FR1.1 6484.45,3089.45 6484.45,2915.55 DS1.1 6483.9,2663.9 C2.1 6483.9,2656.1 6483.9,2396.1 d1.2
NetC10_2: C10.2 U5.2 | length 266.4
  Top Layer w12: U5.2 2092.17,2857.17 2115,2880 2115,3028.55 2109.14,3034.41 2109.14,3054.1 C10.2
NetC11_1: C11.1 U5.3 | length 287
  Top Layer w12: C11.1 1752.83,2807.17 U5.3
NetC11_2: C11.2 U5.1 | length 278.3
  Top Layer w12: C11.2 1934.96,2874.96 1960.55,2900.55 2002.05,2900.55 2008.53,2907.03 U5.1@2008.53,2913.53
NetC16_1: C16.1 U5.5 | length 305.4
  Top Layer w12: C16.1 1880,2660 1927.17,2707.17 U5.5
NetC16_2: C16.2 U5.4 | length 299.2
  Top Layer w12: C16.2 1874.96,2724.96 1907.17,2757.17 U5.4
NetC17_2: C17.2 U5.6 | length 319.9
  Top Layer w12: C17.2 1760,2585 1900,2585 1970,2655 2033.66,2655 U5.6
Netd1_1: d1.1 d2.2 F1.2 | length 463.3
  Top Layer w25: d1.1 6495,2215 6495,2000 d2.2 6505,1769.96 F1.2
NetD5_2: D5.2 Q2.2 | length 415.8
  Bottom Layer w12: D5.2 3135,2270 3165,2240 3165,2002.5 3227.5,1940 Q2.2
NetD6_2: D6.2 Q1.2 | length 545.6
  Top Layer w12: Q1.2 3365,1940 3345,1960 3345,2017.87 3597.13,2270 D6.2
NetDS1_2: DS1.2 R1.2 | length 200.8
  Top Layer w25: R1.2 6149.9,2917.5 6343.6,2917.5 DS1.2
NetK1_16: K1.16 R24.1 ss1.1 | length 809
  Top Layer w15: ss1.1 2975,3355 3010,3390 ; K1.16 2985,3932.82 3010,3907.82 3010,3390 ; R24.1 3080,3451.14 3070.77,3441.91 3061.91,3441.91 3010,3390
NetP1_2: P1.2 R10.1 | length 199.7
  Top Layer w15: P1.2 1682.6,3455 R10.1
NetPT1_3: PT1.3 R20.2 R23.1 U6.2 | length 887.1
  Top Layer w12: PT1.3 4619.07,4025 4674.07,3970 ; R23.1 4674.07,3970 ; R20.2 4674.07,3970
  Bottom Layer w25: PT1.3 4600,4025 4685,4110 U6.2
NetQ1_3: Q1.3 R7.1 R9.2 | length 887.3
  Top Layer w12: Q1.3 3532.46,2020 3627.83,2115.38 3660.73,2115.38 3910.35,2365 v1(3920,2365)
  Bottom Layer w12: R7.1 R9.2 3834.06,2276.46 3834.06,2306.56 3887.84,2360.35 3915.35,2360.35 v1(3920,2365)
NetQ2_3: Q2.3 R6.1 R8.2 | length 279.5
  Bottom Layer w12: Q2.3 3232.5,2020 3297.6,2085.1 R8.2 R6.1
NetQ3_3: Q3.3 R18.2 R19.1 | length 301.6
  Top Layer w15: R19.1@1761.03,3783.97 R19.1 R18.2 1852.6,3937.73 1885,3970.13 Q3.3
NetQ4_2: Q4.2 R24.2 | length 356.4
  Top Layer w15: Q4.2 3205,3235 3230,3260 3230,3430 3200,3460 R24.2 R24.2@3152.4,3457.6
NetQ4_3: Q4.3 R22.2 R25.1 | length 470.7
  Bottom Layer w15: Q4.3 3150,3320 3205,3320 3290,3235 R22.2 3410,3235 3484.8,3309.8 R25.1
NetR2_1: R2.1 U3.3 | length 434.4
  Top Layer w12: U3.3 3675.42,1867.35 3675.42,1903.29 3696.75,1924.62 3700.12,1924.62 3755,1979.5 v1(3755,1985)
  Bottom Layer w12: R2.1 3672.6,1897.1 3755,1979.5 v1(3755,1985)
NetR3_2: R3.2 U4.3 | length 122
  Bottom Layer w12: R3.2 3699.8,2583.86 3710.54,2594.59 3800.89,2594.59 U4.3
NetR4_2: R4.2 U4.4 | length 108.6
  Bottom Layer w12: R4.2 3704.8,2700 U4.4
NetR5_2: R5.2 U4.5 | length 122
  Bottom Layer w12: R5.2 3699.8,2816.14 3710.54,2805.41 3800.89,2805.41 U4.5
NetR15_2: R15.2 U5.13 | length 410.7
  Top Layer w12: U5.13 2235.57,2762.03 2624.43,2762.03 R15.2
NetR16_1: R16.1 U5.11 | length 273.3
  Top Layer w12: U5.11 2332.83,2657.17 2415,2575 R16.1
NetR26_2: R26.2 TO1.1 | length 401.1
  Top Layer w25: TO1.1 3741.3,4813.7 4138.7,4813.7 R26.2
Next_key: C13.2 R12.1 S2.2 STM1.23 | length 5900.4
  Top Layer w12: R12.1 2303.86,1857.4 2378.96,1932.5 ; S2.2@2437.5,1932.5 2378.96,1932.5 ; S2.2@2712.5,1932.5 2814.3,1932.5 2903.11,1843.69 C13.2 ; STM1.23 4330,3070 4400,3000 4400,1205.74 4310,1115.74 2249.26,1115.74 2210,1155 2210,1880 2262.5,1932.5 2378.96,1932.5
  Bottom Layer w25: S2.2@2437.5,1932.5 S2.2@2712.5,1932.5
Output_voice: d10.2 K1.13 PT1.2 R20.1 TP5.1 U6.1 | length 4206.5
  Top Layer w12: PT1.2 4419.69,3925 4595.8,3748.88 v2(5053.88,3748.88) ; TP5.1 4835,4210 ; R20.1 4748.88,4123.88 4835,4210 ; U6.1 4835,4210
  Top Layer w15: v1(2820,4325) 2810,4315 2810,4230 2867.5,4172.5 3962.5,4172.5 4210,3925 PT1.2
  Bottom Layer w12: d10.2 4965,3660 v2(5053.88,3748.88)
  Bottom Layer w15: K1.13 2695,3935 2790,4030 2790,4295 v1(2820,4325) ; U6.1 5060,4210 5075,4195 5075,3779.47 5053.88,3758.35 v2(5053.88,3748.88)
P_M66_key: P3.2 Q3.2 | length 389.1
  Top Layer w12: P3.2 1513.84,4045 1533.87,4065.03 1759.97,4065.03 1805,4020 Q3.2
play_key: C15.2 R14.1 S4.2 STM1.21 | length 7216.9
  Top Layer w12: R14.1 1578.86,1856.09 1659.5,1936.73 ; S4.2@1717.5,1937.5 1447.5,1937.5 1390,1880 1390,1145 1493.26,1041.74 4340.65,1041.74 4474,1175.08 4474,3191 4390,3275 STM1.21@4175,3275 ; S4.2@1992.5,1937.5 2102.5,1937.5 2135,1905 C15.2
  Bottom Layer w25: S4.2@1717.5,1937.5 S4.2@1992.5,1937.5
Play_LED: R6.2 STM1.35 | length 1011
  Bottom Layer w12: R6.2 3430,2270 3449.07,2250.93 3449.07,2160.93 3515,2095 3729.2,2095 3954.2,1870 STM1.35
Puase: C12.2 R11.1 S1.2 STM1.5 | length 4806.8
  Top Layer w12: 2295,1415 2295,1445 2327.5,1477.5 S1.2@2437.5,1477.5 ; S1.2@2712.5,1477.5 2825.57,1477.5 2903.11,1399.96 C12.2
  Bottom Layer w12: 2570,1477.5 2570,1190 2585,1175 4525,1175 4650,1300 4650,2820 4700,2870 STM1.5
  Bottom Layer w25: S1.2@2437.5,1477.5 2570,1477.5 S1.2@2712.5,1477.5
PWM_after_filter: C21.1 R21.1 U6.3 | length 711.6
  Bottom Layer w12: C21.1 R21.1 4608.86,3678.86 4608.86,3833.86 4785,4010 U6.3
Quectel_mic: d9.2 K1.9 P1.1 | length 1402.7
  Top Layer w15: P1.1 2180.73,3555 d9.2@2470.22,3555 ; 2180.73,3555.73 2285,3660 v2(2285,3765)
  Bottom Layer w15: v2(2285,3765) K1.9
Record_key: C14.2 R13.1 S3.2 STM1.22 | length 6539.1
  Top Layer w12: R13.1 1578.86,1402.4 1659.5,1483.04 1708.04,1483.04 1717.5,1492.5 1482.5,1492.5 1430,1440 1430,1157.33 1508.59,1078.74 4325.33,1078.74 4437,1190.41 4437,3068 4335,3170 STM1.22 ; S3.2@1992.5,1492.5 2072.5,1492.5 2135,1430 C14.2
  Bottom Layer w25: S3.2@1717.5,1492.5 S3.2@1992.5,1492.5
Record_LED: R7.2 STM1.34 | length 336.1
  Bottom Layer w12: R7.2 3902.4,2126.14 4058.54,1970 STM1.34
RX_out: d7.2 P3.4 P4.2 U5.12 | length 3792.9
  Top Layer w12: U5.12 2362.83,2707.17 2440,2630 v2(2625,2630)
  Top Layer w15: d7.2 1505,4855 P4.2
  Bottom Layer w15: P3.4@1480,4240 1765,4240 ; P4.2 1765,4240 ; v2(2625,2630) 2371.72,2630 2050,2951.72 2050,4100 1910,4240 1765,4240
Speaker_out: *1.0 K1.11 | length 2271.5
  Bottom Layer w20: K1.11 2495,3935 2595,4035 2595,4345 2680,4430 3715,4430
  Bottom Layer w25: 3715,4430 3920,4225 *1.0
Speaker_out_1: *1.5 R26.1 | length 330.7
  Top Layer w25: *1.5 4060,4580 4140,4660 R26.1
Speaker_out_2: *1.6 TO1.2 | length 396.4
  Top Layer w25: TO1.2 3540,4782.5 3736.74,4585.76 3814.24,4585.76 *1.6
Spi_clk: STM1.31 U3.6 | length 1416.2
  Top Layer w12: U3.6 3670,1525 3643.19,1498.19 3566.81,1498.19 3523.63,1541.37 3523.63,1958.85 3643.16,2078.38 3676.05,2078.38 3867.67,2270 STM1.31
Spi_miso: STM1.32 U3.2 | length 1129.1
  Top Layer w12: 3720,1808.15 U3.2 ; 3720.03,1808.12 3720.03,1780.03 3685,1745 3600.63,1745 3560.63,1785 3560.63,1943.52 3658.49,2041.38 3691.38,2041.38 3820,2170 STM1.32
Spi_mosi: STM1.33 U3.5 | length 1093.5
  Top Layer w12: U3.5@3625.42,1583.49 U3.5 3620,1560.13 3614.58,1554.71 3574.77,1554.71 3567.74,1561.74 3567.74,1642.74 3617.25,1692.25 3957.25,1692.25 4035,1770 4035,2035 4070,2070 STM1.33
TX_out: d8.2 P3.3 P4.1 U5.14 | length 3297.3
  Top Layer w15: P3.3 2082.22,4145 v2(2117.22,4110) ; P4.1 2165,4855 d8.2 ; U5.14 2327.17,2807.17 v2(2340,2820)
  Bottom Layer w15: P4.1 1875,4845 1875,4352.22 v2(2117.22,4110) 2117.22,3042.78 v2(2340,2820)
Uart_rx: P2.2 R15.1 R17.2 STM1.27 | length 7024.2
  Top Layer w12: P2.2@1445,2240 1580,2375 2735,2375 2845,2485 2845,2830 2827.6,2847.4 R17.2 2760,2842.4 R15.1@2635,2842.4 ; v1(2485,2825) 2495.28,2825 2517.68,2847.4 R15.1 ; v1(2625,3770) 2625,3780.28 2610,3795.28 2610,4000 2744,4134 3927,4134 v1(4696,3365)
  Bottom Layer w12: v1(2485,2825) 2445,2825 2400,2870 2400,3545 v1(2625,3770) ; STM1.27 4295,2670 4696,3071 v1(4696,3365) v1@4696,3380
Uart_tx: P2.1 R16.2 STM1.26 | length 6397
  Top Layer w12: P2.1 1489.26,2350 1564.26,2425 2564.8,2425 2640,2500.2 ; R16.2 2640,2500.2 ; v1@2700,2500.2 2640,2500.2 ; v1(2725,3705) 2725,3715 2765,3755 2765,3970 2885,4090 3918.67,4090 4494.34,3514.34 4494.34,3435.66 v1(4555,3375)
  Bottom Layer w12: v1(2700,2500) 2755,2500 2785,2530 2785,2750 2750,2785 2675,2785 2510,2950 2510,3491.52 2723.48,3705 v1(2725,3705) ; STM1.26 4300,2770 4640,3110 4640,3290 v1(4555,3375)
Vin: C1.1 C4.2 C19.1 Ct1.1 FR1.2 K1.1 P3.6 ss1.2 TP1.1 U1.1 U2.1 | length 10484.3
  Top Layer w15: C19.1 ss1.2@2865.04,3534.96
  Top Layer w25: P3.6 1715,4445 1785,4515 2845,4515 2970.61,4389.39 3089.39,4389.39 ; v2(2850,3750) 2850,3550 ss1.2@2865.04,3534.96 ; K1.1 2987.73,4237.73 2987.73,4287.73 3089.39,4389.39 ; U1.1 5465,3585 5525,3645 6075,3645 ; U2.1 5470,2437.17 5470,2510 5560,2600 5940,2600 5975,2635 5975,3545 6075,3645 ; TP1.1 6469.96,4210 6479.96,4220 ; Ct1.1@6464.51,3852.59 6465.07,3852.59 6482.1,3835.56 Ct1.1 ; FR1.2 6485,3468.9 C1.1 6482.1,3478.2 6482.1,3707.1 ; 3089.39,4389.39 6395.61,4389.39 6479.96,4305.04 6479.96,4220 ; 6075,3645 6420,3645 6482.1,3707.1 ; 6479.96,4220 C4.2 6481.03,4028.93 6481.03,3826.07 Ct1.1 ; 6482.1,3707.1 Ct1.1
  Bottom Layer w25: v2(2850,3750) 2850,4100 2968.3,4218.3 2968.3,4218.83 2984.47,4235 K1.1
pads on no net: *1.7 *1.8 DS2.6 J1.MH K1.4 K1.6 K1.8 P1.3 P1.4 P3.1 PT1.1 STM1.4 STM1.7 STM1.8 STM1.11 STM1.14 STM1.15 STM1.16 STM1.17 STM1.18 STM1.19 STM1.20 STM1.30 STM1.36 STM1.37 STM1.38 U5.7 U5.8 U5.9 U6.5 U6.6 U6.7

## Polygon pours and split planes (outlines as drawn)
GND on Bottom Layer "GND_L02_P001" (solid, remove dead copper, pour order 1): 1325,4995 1325,1010 1320,1005 6810,1005 6810,4980
GND on Top Layer "GND_L01_P000" (solid, remove dead copper, pour order 0): 6820,1010 6810,1020 6810,4985 1320,4985 1315,4990 1310,4985 1310,1010

## Keep-outs
Keep-Out Layer:
  the board outline again, w12

## Other copper
Top Layer:
  text "Speaker" at 3000,4835.66 h60
  text "mic" at 5030.06,4830.61 h60
  text "RS232" at 2060,2265.67 h60
  text "PLAY" at 1755,2080 h35
  text "NEXT" at 2550,2065 h35
  text "Pause" at 2885,1255.36 h35
  text "RECORD" at 1755,1165.39 h35
  text "Input_sup" at 5889.34,1140 h60 r90

## Text inside footprints (layer, text, board x,y; h text height)
P4: Top Overlay "2" at 1745,4948.08 h39.37 r270; Top Overlay "1" at 1845,4931.21 h39.37 r270
Q1: Top Overlay "1" at 3388.74,1889 h27.56 r270; Top Overlay "3" at 3385,1998 h27.56 r270
Q2: Top Overlay "1" at 3158.74,1889 h27.56 r270; Top Overlay "3" at 3155,1998 h27.56 r270
Q3: Top Overlay "1" at 1754,4046.26 h27.56 r180; Top Overlay "3" at 1863,4050 h27.56 r180
Q4: Top Overlay "1" at 3073.74,3184 h27.56 r270; Top Overlay "3" at 3070,3293 h27.56 r270
STM1: Mechanical 1 "STM32F103 BluePill" at 4795,1219.61 h35 r180
TO1: Top Overlay "1" at 3741.26,4997.48 h50 r180; Top Overlay "2" at 3551.26,4997.48 h50 r180